# Altium PCB USB_PD_PSU.PcbDoc (part 2 of 2)
Units mm, origin at the board's own origin, x right, y up, seen from the top; angles counter-clockwise.
Board outline 85.26 x 59.07 mm, 4 copper layers (Top Layer, L2(power), L3(GND), Bottom Layer), stack 1.589 mm thick; 116 components, 78 nets, 405 pads, 2011 vias.
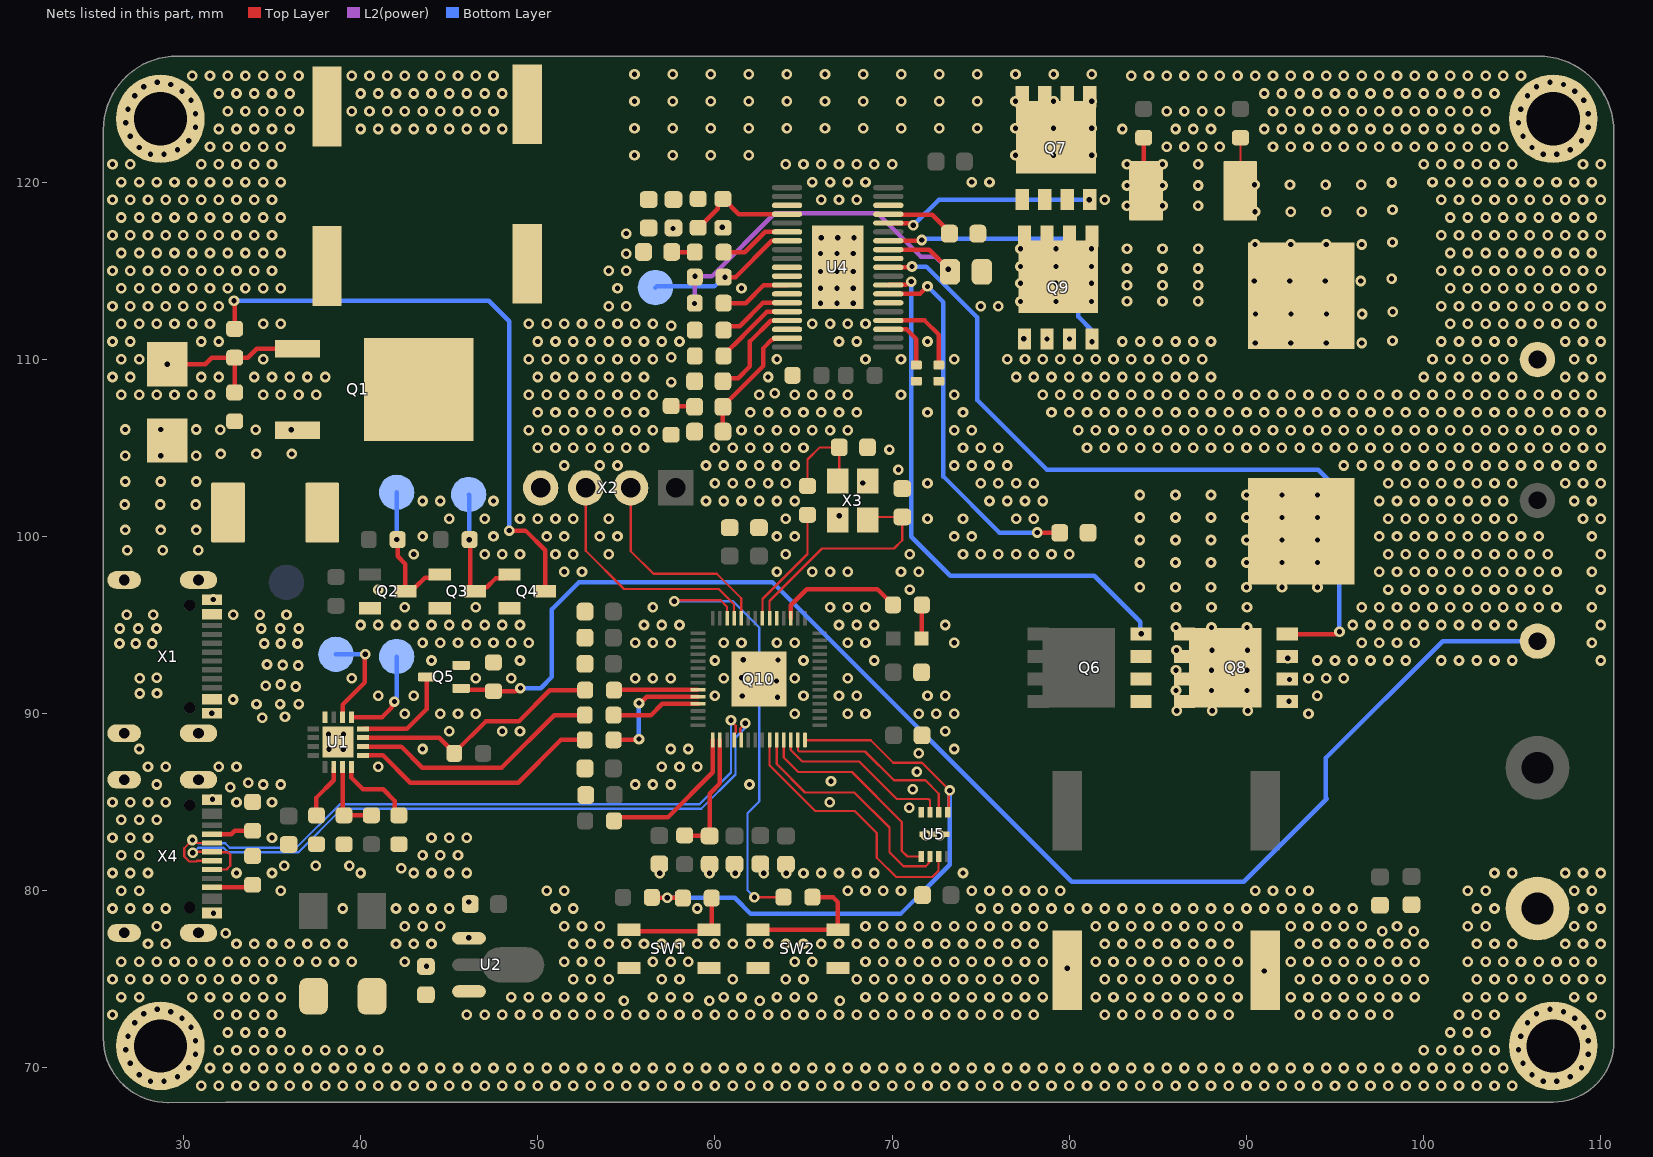
[diagram p4: the nets of this part, all layers, seen from the top]

## Via types
v1: diameter 0.6, hole 0.3, Top Layer to Bottom Layer, tented both sides, 2011 vias

## Nets (pads, with @x,y where several pads share a name; then routed paths per layer and width w, separated by ;. In a path a pad name is that pad's centre, name@x,y a point inside that pad or via, vN(x,y) a via of type N, cw(c..) or ccw(c..) an arc to the next point about the centre after c; other vN are vias at no path point) (continued)
GND: C1.2 C9.2 C10.2 C11.2 C12.2 C13.2 C14.2 C17.2 C18.2 C19.2 C20.2 C21.2 C23.2 C25.2 C26.2 C27.2 C28.2 C29.2 C30.2 C31.2 C32.2 C33.2 C34.2 C35.2 C36.2 C37.2 C38.2 C39.2 C40.2 C41.2 C42.2 C43.2 GND.1 GND_1.1 Q2.2 Q3.2 Q4.2 Q5.2 Q8.1 Q8.2 Q8.3 Q9.1 Q9.2 Q9.3 Q10.19 Q10.57 R5.1 R6.1 R11.1 R16.1 R18.1 R24.1 R27.2 R28.1 R29.1 R30.1 R31.1 R35.1 R36.1 SH1.1 SH2.1 SH3.1 SH4.1 SW1.3 SW1.4 SW2.3 SW2.4 U1.17 U2.1 U4.10 U4.11 U4.13 U4.17 U4.30 U4.39 U5.4 U5.9 X1.13 X1.14 X1.15 X1.16 X1.A1B12 X1.B1A12 X2.04 X3.2 X3.4 X4.13 X4.14 X4.15 X4.16 X4.A1B12 X4.B1A12
  other v1: 31,69 32,69 33,69 34,69 35,69 36,69 37,69 38,69 39,69 40,69 41,69 42,69 43,69 44,69 45,69 46,69 47,69 48,69 49,69 50,69 51,69 52,69 53,69 54,69 55,69 56,69 57,69 58,69 59,69 60,69 61,69 62,69 63,69 64,69 65,69 66,69 67,69 68,69 69,69 70,69 71,69 72,69 73,69 74,69 75,69 76,69 77,69 78,69 79,69 80,69 81,69 82,69 83,69 84,69 85,69 86,69 87,69 88,69 89,69 90,69 91,69 92,69 93,69 94,69 95,69 96,69 97,69 98,69 99,69 100,69 101,69 102,69 103,69 104,69 105,69 28.14,69.244 28.902,69.244 106.753,69.244 107.515,69.244 29.664,69.498 108.277,69.498 27.505,69.625 106.118,69.625 30.299,70.006 31.5,70 32.5,70 33.5,70 34.5,70 35.5,70 36.5,70 37.5,70 38.5,70 39.5,70 40.5,70 41.5,70 42.5,70 43.5,70 44.5,70 45.5,70 46.5,70 47.5,70 48.5,70 49.5,70 50.5,70 51.5,70 52.5,70 53.5,70 54.5,70 55.5,70 56.5,70 57.5,70 58.5,70 59.5,70 60.5,70 61.5,70 62.5,70 63.5,70 64.5,70 65.5,70 66.5,70 67.5,70 68.5,70 69.5,70 70.5,70 71.5,70 72.5,70 73.5,70 74.5,70 75.5,70 76.5,70 77.5,70 78.5,70 79.5,70 80.5,70 81.5,70 82.5,70 83.5,70 84.5,70 85.5,70 86.5,70 87.5,70 88.5,70 89.5,70 90.5,70 91.5,70 92.5,70 93.5,70 94.5,70 95.5,70 96.5,70 97.5,70 98.5,70 99.5,70 100.5,70 101.5,70 102.5,70 103.5,70 104.5,70 108.912,70.006 26.997,70.26 105.61,70.26 30.68,70.768 109.293,70.768 32,71 33,71 34,71 35,71 36,71 37,71 38,71 39,71 40,71 41,71 100,71 101,71 102,71 103,71 104,71 26.743,71.022 105.356,71.022 30.68,71.53 109.293,71.53 26.87,71.784 105.483,71.784 32.5,72 33.5,72 34.5,72 35.5,72 101.5,72 102.5,72 103.5,72 30.426,72.292 109.039,72.292 27.251,72.546 105.864,72.546 29.918,72.8 108.531,72.8 26,73 32,73 33,73 34,73 35,73 46,73 47,73 48,73 49,73 50,73 51,73 52,73 53,73 54,73 55,73 56,73 57,73 58,73 59,73 60,73 61,73 62,73 63,73 64,73 65,73 66,73 67,73 68,73 69,73 70,73 71,73 72,73 73,73 74,73 75,73 76,73 77,73 78,73 82,73 83,73 84,73 85,73 86,73 87,73 88,73 89,73 93,73 94,73 95,73 96,73 97,73 98,73 102,73 103,73 104,73 110,73 27.759,73.054 106.372,73.054 29.283,73.181 107.896,73.181 28.521,73.308 107.134,73.308 54.864,73.787 59.69,73.787 62.532,73.787 67.056,73.787 26.5,74 27.5,74 30.5,74 31.5,74 32.5,74 33.5,74 34.5,74 35.5,74 48.5,74 49.5,74 50.5,74 51.5,74 52.5,74 53.5,74 56.5,74 57.5,74 58.5,74 60.5,74 61.5,74 63.5,74 64.5,74 65.5,74 68.5,74 69.5,74 70.5,74 71.5,74 72.5,74 73.5,74 74.5,74 75.5,74 76.5,74 77.5,74 78.5,74 81.5,74 82.5,74 83.5,74 84.5,74 85.5,74 86.5,74 87.5,74 88.5,74 89.5,74 92.5,74 93.5,74 94.5,74 95.5,74 96.5,74 97.5,74 98.5,74 99.5,74 102.5,74 103.5,74 104.5,74 105.5,74 108.5,74 109.5,74 26,75 27,75 28,75 29,75 30,75 31,75 32,75 33,75 34,75 35,75 52,75 53,75 54,75 57,75 58,75 61,75 64,75 65,75 68,75 69,75 70,75 71,75 72,75 73,75 74,75 75,75 76,75 77,75 78,75 82,75 83,75 84,75 85,75 86,75 87,75 88,75 89,75 93,75 94,75 95,75 96,75 97,75 98,75 99,75 100,75 103,75 104,75 105,75 106,75 107,75 108,75 109,75 110,75 90.999,75.476 79.883,75.622 43.716,75.732 26.5,76 27.5,76 28.5,76 29.5,76 30.5,76 31.5,76 32.5,76 33.5,76 34.5,76 35.5,76 36.5,76 37.5,76 38.5,76 39.5,76 42.5,76 51.5,76 52.5,76 53.5,76 56.5,76 57.5,76 58.5,76 64.5,76 65.5,76 68.5,76 69.5,76 70.5,76 71.5,76 72.5,76 73.5,76 74.5,76 75.5,76 76.5,76 77.5,76 78.5,76 81.5,76 82.5,76 83.5,76 84.5,76 85.5,76 86.5,76 87.5,76 88.5,76 89.5,76 92.5,76 93.5,76 94.5,76 95.5,76 96.5,76 97.5,76 98.5,76 99.5,76 102.5,76 103.5,76 104.5,76 105.5,76 106.5,76 107.5,76 108.5,76 109.5,76 28,77 29,77 33,77 34,77 35,77 36,77 37,77 38,77 39,77 42,77 43,77 44,77 52,77 53,77 54,77 55,77 56,77 57,77 58,77 59,77 60,77 61,77 62,77 63,77 64,77 65,77 66,77 67,77 68,77 69,77 70,77 71,77 72,77 73,77 74,77 75,77 76,77 77,77 78,77 82,77 83,77 84,77 85,77 86,77 87,77 88,77 89,77 93,77 94,77 95,77 96,77 97,77 98,77 99,77 100,77 103,77 104,77 105,77 108,77 109,77 110,77 46.101,77.343 32.385,77.597 97.663,77.724 99.441,77.724 28.5,78 42.5,78 43.5,78 44.5,78 51.5,78 52.5,78 53.5,78 68.5,78 69.5,78 70.5,78 71.5,78 72.5,78 73.5,78 74.5,78 75.5,78 76.5,78 77.5,78 78.5,78 81.5,78 82.5,78 83.5,78 84.5,78 85.5,78 86.5,78 87.5,78 88.5,78 89.5,78 92.5,78 93.5,78 94.5,78 95.5,78 96.5,78 98.5,78 102.5,78 103.5,78 108.5,78 109.5,78 31.698,78.737 26,79 27,79 28,79 29,79 39,79 42,79 43,79 44,79 45,79 51,79 52,79 59,79 75,79 76,79 77,79 78,79 79,79 80,79 81,79 82,79 83,79 84,79 85,79 86,79 87,79 88,79 89,79 90,79 91,79 92,79 93,79 94,79 95,79 96,79 103,79 104,79 109,79 110,79 46.111,79.364 26.5,80 27.5,80 35.5,80 50.5,80 51.5,80 67.5,80 68.5,80 69.5,80 70.5,80 74.5,80 75.5,80 76.5,80 77.5,80 78.5,80 79.5,80 90.5,80 91.5,80 92.5,80 93.5,80 102.5,80 103.5,80 108.5,80 109.5,80 26,81 27,81 28,81 33,81 35,81 40,81 43,81 44,81 45,81 46,81 56.888,80.988 59.691,80.988 61.143,80.988 62.757,80.988 64.018,80.988 65,80.988 66,81 67,81 68,81 69,81 74,81 104,81 105,81 108,81 109,81 110,81 42.291,81.28 35.687,81.407 37.465,81.407 39.37,81.407 26.5,82 27.5,82 43.5,82 44.5,82 45.5,82 26,83 27,83 28,83 35,83 44,83 45,83 46,83 71.913,83.136 72.699,83.129 26.5,84 27.5,84 28.5,84 70.963,84.685 26,85 27,85 28,85 29,85 33,85 35,85 66.48,85.005 31.637,85.16 71.168,85.725 32.639,85.852 28.5,86 34.5,86 35.5,86 55.5,86 56.5,86 57.5,86 61.954,86 33.655,86.106 66.552,86.185 71.401,86.724 28,87 29,87 32,87 33,87 41,87 57,87 58,87 59,87 71.501,87.757 38.221,87.992 39.026,87.977 27.5,88 43.5,88 57.5,88 58.5,88 73.5,88 38.186,88.828 39.031,88.843 45,89 48,89 49,89 73,89 42.5,90 44.5,90 45.5,90 46.5,90 64.5,90 67.5,90 68.5,90 71.5,90 72.5,90 73.5,90 93.5,90 31.607,90.017 92.406,90.689 63.532,90.923 41,91 43,91 60,91 61.544,90.996 65,91 67,91 68,91 72,91 73,91 94,91 63.471,91.838 92.427,91.926 39.5,92 46.5,92 48.5,92 55.5,92 56.5,92 57.5,92 60.5,92 64.5,92 67.5,92 93.5,92 94.5,92 95.5,92 61.507,92.021 44,93 49,93 60,93 65,93 69,93 94,93 95,93 96,93 97,93 98,93 99,93 101,93 102,93 103,93 104,93 105,93 110,93 63.557,93.022 61.605,93.034 92.334,93.121 43.5,94 44.5,94 45.5,94 46.5,94 47.5,94 48.5,94 49.5,94 55.5,94 56.5,94 57.5,94 60.5,94 61.5,94 63.5,94 64.5,94 67.5,94 68.5,94 73.5,94 96.5,94 97.5,94 98.5,94 99.5,94 109.5,94 40,95 41,95 42,95 43,95 44,95 45,95 46,95 47,95 48,95 49,95 56,95 57,95 58,95 67,95 68,95 69,95 73,95 96,95 97,95 98,95 99,95 100,95 101,95 102,95 103,95 104,95 105,95 110,95 42.5,96 46.5,96 56.5,96 66.5,96 67.5,96 68.5,96 96.5,96 97.5,96 98.5,96 99.5,96 100.5,96 101.5,96 102.5,96 103.5,96 104.5,96 105.5,96 106.5,96 107.5,96 109.5,96 31.685,96.443 41,97 71,97 98,97 99,97 100,97 101,97 102,97 103,97 104,97 105,97 106,97 107,97 110,97 51.5,98 52.5,98 63.5,98 65.5,98 66.5,98 67.5,98 70.5,98 71.5,98 97.5,98 98.5,98 99.5,98 100.5,98 101.5,98 102.5,98 103.5,98 104.5,98 105.5,98 106.5,98 107.5,98 109.5,98 43,99 47,99 48,99 49,99 51,99 52,99 54,99 64,99 71,99 74,99 75,99 76,99 77,99 78,99 79,99 80,99 98,99 99,99 100,99 101,99 102,99 103,99 104,99 105,99 106,99 107,99 110,99 43.5,100 47.5,100 50.5,100 51.5,100 53.5,100 54.5,100 63.5,100 64.5,100 73.5,100 74.5,100 97.5,100 98.5,100 99.5,100 100.5,100 101.5,100 102.5,100 103.5,100 104.5,100 105.5,100 106.5,100 109.5,100 45,101 47,101 49,101 50,101 51,101 52,101 54,101 64,101 72,101 74,101 77,101 78,101 98,101 99,101 100,101 101,101 102,101 103,101 104,101 105,101 109,101 110,101 67.024,101.17 43.5,102 44.5,102 47.5,102 59.5,102 60.5,102 61.5,102 62.5,102 63.5,102 64.5,102 75.5,102 76.5,102 77.5,102 78.5,102 97.5,102 98.5,102 99.5,102 100.5,102 101.5,102 102.5,102 103.5,102 104.5,102 108.5,102 109.5,102 60,103 61,103 62,103 63,103 64,103 72,103 75,103 76,103 77,103 78,103 98,103 99,103 100,103 101,103 102,103 103,103 104,103 105,103 108,103 109,103 110,103 68.341,103.021 70.358,103.759 51.5,104 53.5,104 54.5,104 59.5,104 60.5,104 61.5,104 62.5,104 63.5,104 64.5,104 73.5,104 74.5,104 75.5,104 76.5,104 95.5,104 96.5,104 97.5,104 98.5,104 99.5,104 100.5,104 101.5,104 102.5,104 103.5,104 104.5,104 105.5,104 106.5,104 107.5,104 108.5,104 109.5,104 69.85,104.902 50,105 51,105 52,105 53,105 54,105 55,105 56,105 60,105 61,105 62,105 63,105 64,105 65,105 74,105 75,105 76,105 81,105 82,105 83,105 84,105 85,105 86,105 87,105 88,105 89,105 90,105 91,105 92,105 93,105 94,105 95,105 96,105 97,105 98,105 99,105 100,105 101,105 102,105 103,105 104,105 105,105 106,105 107,105 108,105 109,105 110,105 49.5,106 50.5,106 51.5,106 52.5,106 53.5,106 54.5,106 55.5,106 56.5,106 61.5,106 62.5,106 63.5,106 64.5,106 65.5,106 66.5,106 67.5,106 73.5,106 74.5,106 80.5,106 81.5,106 82.5,106 83.5,106 84.5,106 85.5,106 86.5,106 87.5,106 88.5,106 89.5,106 90.5,106 91.5,106 92.5,106 93.5,106 94.5,106 95.5,106 96.5,106 97.5,106 98.5,106 99.5,106 100.5,106 101.5,106 102.5,106 103.5,106 104.5,106 105.5,106 106.5,106 107.5,106 108.5,106 109.5,106 50,107 51,107 52,107 53,107 54,107 55,107 56,107 62,107 63,107 64,107 65,107 66,107 67,107 68,107 72,107 74,107 79,107 80,107 81,107 82,107 83,107 84,107 85,107 86,107 87,107 88,107 89,107 90,107 91,107 92,107 93,107 94,107 95,107 96,107 97,107 98,107 99,107 100,107 101,107 102,107 103,107 104,107 105,107 106,107 107,107 108,107 109,107 110,107 26.5,108 27.5,108 28.5,108 29.5,108 30.5,108 31.5,108 34.5,108 35.5,108 36.5,108 37.5,108 49.5,108 50.5,108 51.5,108 52.5,108 53.5,108 54.5,108 55.5,108 56.5,108 62.5,108 64.5,108 65.5,108 66.5,108 67.5,108 70.5,108 73.5,108 78.5,108 79.5,108 80.5,108 81.5,108 82.5,108 83.5,108 84.5,108 85.5,108 86.5,108 87.5,108 88.5,108 89.5,108 90.5,108 91.5,108 92.5,108 93.5,108 94.5,108 95.5,108 96.5,108 97.5,108 98.5,108 99.5,108 100.5,108 101.5,108 102.5,108 103.5,108 104.5,108 105.5,108 106.5,108 107.5,108 108.5,108 109.5,108 63.373,108.077 57.531,108.712 26,109 27,109 31,109 32,109 34,109 35,109 36,109 37,109 38,109 50,109 51,109 52,109 53,109 54,109 55,109 56,109 63,109 77,109 78,109 79,109 80,109 81,109 82,109 83,109 84,109 85,109 86,109 87,109 88,109 100,109 101,109 102,109 103,109 104,109 105,109 108,109 109,109 110,109 26.5,110 27.5,110 34.5,110 49.5,110 50.5,110 51.5,110 52.5,110 53.5,110 54.5,110 55.5,110 56.5,110 63.5,110 68.5,110 70.5,110 73.5,110 76.5,110 77.5,110 78.5,110 79.5,110 80.5,110 81.5,110 82.5,110 83.5,110 84.5,110 85.5,110 86.5,110 87.5,110 100.5,110 101.5,110 102.5,110 103.5,110 104.5,110 108.5,110 109.5,110 57.531,110.109 26,111 27,111 31,111 32,111 50,111 51,111 52,111 53,111 54,111 55,111 56,111 57,111 58,111 67,111 68,111 72,111 83,111 84,111 85,111 86,111 87,111 88,111 101,111 102,111 103,111 104,111 105,111 108,111 109,111 110,111 77.431,111.162 78.74,111.146 80.01,111.146 57.531,111.887 26.5,112 27.5,112 28.5,112 29.5,112 30.5,112 31.5,112 34.5,112 35.5,112 49.5,112 50.5,112 51.5,112 52.5,112 53.5,112 54.5,112 55.5,112 56.5,112 65.5,112 66.5,112 67.5,112 68.5,112 101.5,112 102.5,112 103.5,112 104.5,112 105.5,112 106.5,112 107.5,112 108.5,112 109.5,112 26,113 27,113 28,113 29,113 30,113 31,113 32,113 54,113 55,113 75,113 76,113 101,113 102,113 103,113 104,113 105,113 106,113 107,113 108,113 109,113 110,113 65.964,113.164 66.889,113.164 67.813,113.164 26.5,114 27.5,114 28.5,114 29.5,114 30.5,114 31.5,114 32.5,114 33.5,114 34.5,114 35.5,114 54.5,114 61.5,114 101.5,114 102.5,114 103.5,114 104.5,114 105.5,114 106.5,114 107.5,114 108.5,114 109.5,114 65.964,114.013 66.889,114.013 67.813,114.013 65.964,114.958 66.889,114.958 67.813,114.958 26,115 27,115 28,115 29,115 30,115 31,115 32,115 33,115 34,115 35,115 54,115 55,115 101,115 102,115 103,115 104,115 105,115 106,115 107,115 108,115 109,115 110,115 54.991,115.951 65.964,115.971 66.889,115.971 67.813,115.971 26.5,116 27.5,116 28.5,116 29.5,116 30.5,116 31.5,116 32.5,116 33.5,116 34.5,116 35.5,116 101.5,116 102.5,116 103.5,116 104.5,116 105.5,116 106.5,116 107.5,116 108.5,116 109.5,116 66.006,116.852 66.931,116.852 67.855,116.852 26,117 27,117 28,117 29,117 30,117 31,117 32,117 33,117 34,117 35,117 101,117 102,117 103,117 104,117 105,117 106,117 107,117 108,117 109,117 110,117 54.991,117.094 57.632,117.382 60.411,117.448 26.5,118 27.5,118 28.5,118 29.5,118 30.5,118 31.5,118 32.5,118 33.5,118 34.5,118 35.5,118 101.5,118 102.5,118 103.5,118 104.5,118 105.5,118 106.5,118 107.5,118 108.5,118 109.5,118 26,119 27,119 28,119 29,119 30,119 31,119 32,119 33,119 34,119 35,119 66,119 67,119 68,119 82,119 101,119 102,119 103,119 104,119 105,119 106,119 107,119 108,119 109,119 110,119 26.5,120 27.5,120 28.5,120 29.5,120 30.5,120 31.5,120 32.5,120 33.5,120 34.5,120 35.5,120 65.5,120 66.5,120 67.5,120 68.5,120 74.5,120 75.5,120 100.5,120 101.5,120 102.5,120 103.5,120 104.5,120 105.5,120 106.5,120 107.5,120 108.5,120 109.5,120 26,121 27,121 31,121 32,121 33,121 34,121 35,121 64,121 65,121 66,121 67,121 68,121 69,121 70,121 100,121 101,121 102,121 103,121 104,121 105,121 109,121 110,121 28.14,121.568 28.902,121.568 106.753,121.568 107.515,121.568 29.664,121.822 108.277,121.822 27.505,121.949 106.118,121.949 31.5,122 32.5,122 33.5,122 34.5,122 35.5,122 85.5,122 86.5,122 87.5,122 88.5,122 91.5,122 92.5,122 93.5,122 94.5,122 95.5,122 96.5,122 97.5,122 98.5,122 99.5,122 100.5,122 101.5,122 102.5,122 103.5,122 104.5,122 30.299,122.33 108.912,122.33 26.997,122.584 105.61,122.584 32,123 33,123 34,123 35,123 36,123 40,123 41,123 42,123 43,123 44,123 45,123 46,123 47,123 48,123 83,123 86,123 87,123 88,123 91,123 92,123 93,123 94,123 95,123 96,123 97,123 98,123 99,123 100,123 101,123 102,123 103,123 104,123 30.68,123.092 109.293,123.092 26.743,123.346 105.356,123.346 30.68,123.854 109.293,123.854 32.5,124 33.5,124 34.5,124 35.5,124 36.5,124 39.5,124 40.5,124 41.5,124 42.5,124 43.5,124 44.5,124 45.5,124 46.5,124 47.5,124 85.5,124 86.5,124 87.5,124 88.5,124 91.5,124 92.5,124 93.5,124 94.5,124 95.5,124 96.5,124 97.5,124 98.5,124 99.5,124 100.5,124 101.5,124 102.5,124 103.5,124 26.87,124.108 105.483,124.108 30.426,124.616 109.039,124.616 27.251,124.87 105.864,124.87 32,125 33,125 34,125 35,125 36,125 40,125 41,125 42,125 43,125 44,125 45,125 46,125 47,125 48,125 91,125 92,125 93,125 94,125 95,125 96,125 97,125 98,125 99,125 100,125 101,125 102,125 103,125 104,125 29.918,125.124 108.531,125.124 27.759,125.378 106.372,125.378 29.283,125.505 107.896,125.505 28.521,125.632 107.134,125.632 30.5,126 31.5,126 32.5,126 33.5,126 34.5,126 35.5,126 36.5,126 39.5,126 40.5,126 41.5,126 42.5,126 43.5,126 44.5,126 45.5,126 46.5,126 47.5,126 83.5,126 84.5,126 85.5,126 86.5,126 87.5,126 88.5,126 89.5,126 90.5,126 91.5,126 92.5,126 93.5,126 94.5,126 95.5,126 96.5,126 97.5,126 98.5,126 99.5,126 100.5,126 101.5,126 102.5,126 103.5,126 104.5,126 105.5,126
HO1: Q7.4 U4.34 | length 12
  Top Layer w0.254: U4.34@69.787,117.689 70.972,117.689 71.103,117.558 v1(71.197,117.558)
  Bottom Layer w0.254: v1(71.197,117.558) 72.646,119.008 v1(81.134,119.008)
HO2: Q6.4 U4.27 | length 31.3
  Top Layer w0.254: U4.27@69.787,114.189 69.795,114.198 70.804,114.198 70.991,114.385 v1(71.085,114.385)
  Bottom Layer w0.254: v1(71.085,114.385) 71.085,99.984 73.279,97.79 81.407,97.79 84.015,95.182 v1@84.015,94.555
  other v1: 84.07,94.501
LO1: Q9.4 U4.32 | length 16.6
  Top Layer w0.254: U4.32@69.787,116.689 69.795,116.698 71.643,116.698 v1(71.68,116.734)
  Bottom Layer w0.254: v1(71.68,116.734) 71.735,116.79 80.069,116.79 80.518,116.34 80.518,112.395 81.24,111.673 81.24,111.036 v1(81.284,110.992)
LO2: Q8.4 U4.29 | length 44.3
  Top Layer w0.254: U4.29@69.787,115.189 69.795,115.198 71.086,115.198 v1(71.123,115.235) ; Q8.4@92.308,94.488 95.029,94.488 v1@95.156,94.615
  Bottom Layer w0.254: v1(71.123,115.235) 71.926,115.235 74.803,112.358 74.803,107.696 78.74,103.759 94.05,103.759 95.25,102.559 v1(95.25,94.615)
MCUD_N: Q10.46 X4.A7 X4.B7 | length 40.6
  Top Layer w0.128: X4.A7@31.616,81.696 30.782,81.696 30.736,81.65 30.329,81.65 30.041,81.938 30.041,82.4 v1(30.509,82.868) 30.681,82.696 X4.B7@31.616,82.696 ; v1(60.91,89.632) 60.91,89.591 61.179,89.321 61.179,88.928 61.084,88.833 Q10.46@61.084,88.513
  Bottom Layer w0.128: v1(30.509,82.868) 30.63,82.868 30.82,82.678 32.364,82.678 32.619,82.423 36.37,82.423 38.837,84.89 59.128,84.89 60.91,86.671 v1(60.91,89.632)
MCUD_P: Q10.47 X4.A6 X4.B6 | length 40.8
  Top Layer w0.128: v1(30.533,82.141) 30.587,82.196 X4.A6@31.616,82.196 31.643,82.169 32.512,82.169 32.639,82.042 32.639,81.407 32.428,81.196 X4.B6@31.616,81.196 ; Q10.47@61.484,88.513 61.484,88.833 61.448,88.869 61.448,88.931 61.435,88.944 61.435,89.153 61.705,89.423 v1(61.705,89.464)
  Bottom Layer w0.128: v1(30.533,82.141) 30.56,82.141 30.841,82.423 32.258,82.423 32.513,82.168 36.476,82.168 38.943,84.634 59.234,84.634 61.165,86.565 61.165,88.646 61.705,89.185 v1(61.705,89.464)
NetC10_1: C10.1 D1.1 D2.1 U2.3
NetC16_1: C16.1 U4.35 | length 4
  Top Layer w0.254: U4.35@69.787,118.189 70.506,118.189 70.532,118.164 72.272,118.164 72.893,117.543 72.893,117.527 73.241,117.179 C16.1@73.241,117.094
NetC22_2: C22.2 U4.26 | length 21.4
  Top Layer w0.254: U4.26@69.787,113.689 71.578,113.689 v1(72.001,114.112) ; v1(78.193,100.219) 78.201,100.211 79.456,100.211 C22.2@79.464,100.203
  Bottom Layer w0.254: v1(72.001,114.112) 72.898,113.215 72.898,103.378 76.057,100.219 v1(78.193,100.219)
NetC23_1: C23.1 R25.1 | length 1.4
  Top Layer w0.254: C23.1@57.568,116.058 57.575,116.051 58.925,116.051 R25.1@58.933,116.043
NetC24_1: C24.1 C26.1 U4.18 | length 7.2
  Top Layer w0.254: C26.1@60.453,105.918 C24.1@60.453,107.315 60.453,107.34 62.738,109.625 62.738,110.634 63.197,111.093 63.255,111.093 63.352,111.189 U4.18@64.072,111.189
NetC24_2: C24.2 R31.2 | length 1.3
  Top Layer w0.254: R31.2@57.531,107.367 57.557,107.341 58.827,107.341 C24.2@58.853,107.315
NetC25_1: C25.1 U4.16 | length 5.9
  Top Layer w0.254: C25.1@60.453,108.759 60.627,108.934 61.309,108.934 61.976,109.601 61.976,111.004 63.152,112.18 64.063,112.18 U4.16@64.072,112.189
NetC39_1: C39.1 Q10.44 R33.2 | length 7.1
  Top Layer w0.254: R33.2@58.309,83.111 59.683,83.111 C39.1@59.699,83.095 59.699,85.48 60.284,86.065 Q10.44@60.284,88.513
NetC41_1: C41.1 R34.2 X3.3 | length 5.7
  Top Layer w0.127: R34.2@65.228,102.846 65.228,104.344 65.91,105.026 C41.1@67.014,105.026 ; X3.3@66.651,102.846 X3.3@66.929,103.124 67.014,103.209 C41.1@67.014,104.814
NetC42_1: C42.1 Q10.20 X3.1 | length 13
  Top Layer w0.127: Q10.20@63.084,95.383 63.084,96.358 66.04,99.314 70.104,99.314 70.578,99.788 C42.1@70.578,101.1 X3.1@68.806,101.1
NetL2_1: L2.1 R23.1 R26.1 | length 3
  Top Layer w0.127: R26.1@89.655,119.507 89.662,119.514 R23.1@89.662,122.503
  other v1: 90.491,110.917 92.496,110.917 94.501,110.917 96.506,110.917 98.245,111.043 90.512,112.553 92.517,112.553 94.522,112.553 96.527,112.553 98.266,112.679 90.439,114.418 92.444,114.418 94.449,114.418 96.454,114.418 98.193,114.545 90.487,116.478 92.492,116.478 94.497,116.478 96.502,116.478 98.241,116.605 90.487,118.319 92.492,118.319 94.497,118.319 96.502,118.319 98.241,118.446 90.457,119.854 92.462,119.854 94.467,119.854 96.472,119.854 98.211,119.98
NetLED1_1: LED1.1 R37.1 | length 1.9
  Top Layer w0.254: LED1.1@71.666,94.237 71.68,94.252 R37.1@71.68,96.139
NetQ1_1: Q1.1 R4.1 R10.1 TP2.1 ZD1.2 | length 9.7
  Top Layer w0.254: v1(29.083,109.719) 31.233,109.719 31.602,110.088 R10.1@32.893,110.088 ; R4.1@32.893,108.129 R10.1@32.893,110.088 ; Q1.1@36.428,110.598 34.144,110.598 33.634,110.088 R10.1@32.893,110.088
NetQ2_3: Q2.3 Q3.1 R8.1 TP5.1 | length 8.1
  Top Layer w0.254: R8.1@42.089,99.822 42.089,98.881 42.529,98.441 Q2.3@42.529,96.901 42.752,97.124 43.091,97.124 43.639,97.672 44.287,97.672 Q3.1@44.466,97.851
  Bottom Layer w0.254: v1(42.037,99.822) TP5.1@42.037,102.489
NetQ3_3: Q3.3 Q4.1 R9.1 TP4.1 | length 8
  Top Layer w0.254: R9.1@46.153,99.822 R9.1@46.153,99.866 ; R9.1@46.197,99.822 46.197,97.124 46.42,96.901 Q3.3@46.466,96.901 46.689,97.124 47.116,97.124 47.62,97.628 48.18,97.628 Q4.1@48.403,97.851
  Bottom Layer w0.254: TP4.1@46.101,102.362 46.121,102.342 v1@46.121,99.824
  other v1: 46.142,99.804
NetQ4_3: Q4.3 R10.2 | length 34.2
  Top Layer w0.254: R10.2@32.893,111.716 v1@32.893,113.284 ; v1(48.387,100.33) 49.306,100.33 50.419,99.217 50.419,96.917 Q4.3@50.403,96.901
  Bottom Layer w0.254: v1(32.854,113.3) 47.228,113.3 48.387,112.141 v1(48.387,100.33)
NetQ10_17: Q10.17 R37.2 | length 7.2
  Top Layer w0.254: Q10.17@64.284,95.383 64.284,96.122 65.178,97.016 69.175,97.016 R37.2@70.052,96.139
NetQ10_21: Q10.21 R34.1 | length 6.9
  Top Layer w0.127: Q10.21@62.684,95.383 62.684,96.466 65.228,99.01 R34.1@65.228,101.218
NetQ10_37: Q10.37 R38.2 | length 4.7
  Top Layer w0.254: R38.2@54.303,91.323 54.316,91.335 Q10.37@59.036,91.335
NetQ10_38: Q10.38 R39.2 | length 7
  Top Layer w0.254: R39.2@54.281,88.519 v1@55.753,88.519 ; v1@55.753,90.551 56.15,90.948 Q10.38@59.049,90.948
  Bottom Layer w0.254: v1(55.712,88.563) v1(55.712,90.595)
NetQ10_39: Q10.39 R40.2 | length 5
  Top Layer w0.254: R40.2@54.281,89.916 56.388,89.916 57.02,90.548 Q10.39@59.049,90.548
NetQ10_43: Q10.43 R32.1 | length 8.5
  Top Layer w0.254: R32.1@54.306,83.947 54.505,84.146 57.349,84.146 59.884,86.681 Q10.43@59.884,88.513
NetR2_1: R2.1 R5.2 U1.7 | length 4.2
  Top Layer w0.254: U1.7@38.985,86.985 38.998,86.972 R5.2@38.998,84.318 ; R5.2@39.064,84.255 40.61,84.255 R2.1@40.611,84.256
NetR3_1: R3.1 R38.1 U1.11 | length 14.4
  Top Layer w0.254: U1.11@40.142,88.642 44.432,88.642 R3.1@45.287,87.787 ; R3.1@45.287,87.757 R3.1@45.287,87.787 ; R38.1@52.675,91.323 50.683,91.323 48.937,89.577 47.077,89.577 45.332,87.832 45.287,87.832 R3.1@45.287,87.787
NetR6_2: R6.2 U1.8 | length 4.5
  Top Layer w0.254: U1.8@39.485,86.985 39.485,86.372 40.132,85.725 41.275,85.725 41.916,85.084 41.916,84.501 R6.2@42.164,84.253
NetR11_2: R11.2 U1.6 | length 3.1
  Top Layer w0.254: R11.2@37.512,84.253 37.512,85.264 38.485,86.237 U1.6@38.485,86.985
NetR17_1: R17.1 R18.2 U4.4 | length 5.8
  Top Layer w0.254: R17.1@59.055,117.423 59.085,117.423 60.159,118.497 R18.2@60.159,118.758 ; R18.2@60.452,119.051 60.482,119.051 61.344,118.189 U4.4@64.072,118.189
NetR19_2: R19.2 U4.12 | length 4
  Top Layer w0.254: R19.2@60.489,113.166 61.731,113.166 62.754,114.189 U4.12@64.072,114.189
NetR20_1: R20.1 TP7.1 U4.7 | length 8.6
  Top Layer w0.254: R20.1@60.492,114.664 R20.1@60.492,114.634 v1(60.564,114.634) 60.571,114.641 61.174,114.641 63.213,116.68 64.063,116.68 U4.7@64.072,116.689
  Bottom Layer w0.254: TP7.1@56.642,114.046 56.707,114.111 59.973,114.111 60.496,114.634 v1(60.564,114.634)
NetR25_2: R25.2 U4.6 | length 4
  Top Layer w0.254: R25.2@60.561,116.043 61.687,116.043 62.833,117.189 U4.6@64.072,117.189
NetR27_1: R27.1 U4.22 | length 3.3
  Top Layer w0.254: U4.22@69.787,111.689 69.795,111.68 70.819,111.68 71.374,111.125 R27.1@71.374,109.675
NetR28_2: R28.2 U4.23 | length 4.9
  Top Layer w0.254: U4.23@69.787,112.189 71.834,112.189 72.644,111.379 R28.2@72.644,109.675
NetR29_2: R29.2 U4.14 | length 4.2
  Top Layer w0.254: R29.2@60.489,111.642 60.712,111.866 61.397,111.866 62.711,113.18 64.063,113.18 U4.14@64.072,113.189
NetR30_2: R30.2 U4.15 | length 4.4
  Top Layer w0.254: R30.2@60.489,110.189 60.489,110.219 61.595,111.325 61.595,111.337 62.938,112.68 63.81,112.68 U4.15@63.836,112.706
NetR35_2: R35.2 X4.A5 | length 2.4
  Top Layer w0.254: X4.A5@31.616,83.196 32.707,83.196 32.898,83.387 R35.2@33.909,83.387
NetR36_2: R36.2 X4.B5 | length 2.2
  Top Layer w0.254: X4.B5@31.619,80.193 33.778,80.193 R36.2@33.782,80.189
NetR42_1: R42.1 SW1.1 SW1.2 | length 6.5
  Top Layer w0.254: SW1.1@55.1,77.724 SW1.2@59.6,77.724 ; SW1.2@59.816,77.564 R42.1@59.816,79.583
NetR43_1: R43.1 SW2.1 SW2.2 | length 7.6
  Top Layer w0.254: SW2.1@62.438,77.791 SW2.2@66.938,77.791 66.938,79.366 66.667,79.637 R43.1@65.502,79.637
NetTP1_1: TP1.1 U1.13 | length 5.5
  Top Layer w0.254: U1.13@39.485,89.799 41.213,89.799 41.773,90.359 41.773,90.448 41.91,90.584 v1(41.91,90.678)
  Bottom Layer w0.254: v1(41.91,90.678) 41.91,90.772 42.037,90.899 TP1.1@42.037,93.218
NetTP3_1: TP3.1 U1.14 | length 5.7
  Top Layer w0.254: U1.14@38.985,89.799 38.998,89.812 38.998,90.511 40.248,91.761 v1@40.248,93.334
  Bottom Layer w0.254: TP3.1@38.608,93.345 v1(40.259,93.345)
PD_EN: Q5.3 U1.12 | length 5.9
  Top Layer w0.254: U1.12@40.142,89.142 42.62,89.142 43.734,90.256 Q5.3@43.734,92.075
PD_EN_IN: PD_EN.1 Q5.1 R16.2 | length 79.4
  Top Layer w0.254: Q5.1@45.674,91.425 45.756,91.343 R16.2@47.416,91.343 ; R16.2@47.498,91.261 48.749,91.261 v1@48.928,91.44
  Bottom Layer w0.254: v1(49.022,91.44) 50.165,91.44 50.8,92.075 50.8,95.885 52.324,97.409 63.246,97.409 80.137,80.518 89.854,80.518 94.532,85.195 94.488,85.239 94.488,87.503 101.073,94.088 PD_EN.1@106.426,94.088
QSPI_SCLK: Q10.52 U5.6 | length 13.6
  Top Layer w0.127: Q10.52@63.484,88.513 63.484,87.157 65.089,85.553 67.863,85.553 69.85,83.566 69.85,82.169 70.638,81.381 71.895,81.381 72.117,81.603 U5.6@72.117,81.912
QSPI_SD0: Q10.53 U5.5 | length 12
  Top Layer w0.127: Q10.53@63.884,88.513 63.884,87.521 64.706,86.698 67.734,86.698 70.548,83.884 70.548,82.251 70.864,81.935 U5.5@71.64,81.935
QSPI_SD1: Q10.55 U5.2 | length 10.6
  Top Layer w0.127: Q10.55@64.684,88.513 64.684,87.936 64.758,87.862 68.475,87.862 70.104,86.233 71.882,86.233 72.64,85.475 U5.2@72.64,84.435
QSPI_SD2: Q10.54 U5.3 | length 10.3
  Top Layer w0.127: Q10.54@64.284,88.513 64.284,87.945 64.934,87.295 68.148,87.295 70.267,85.176 72.066,85.176 72.14,85.101 U5.3@72.14,84.435
QSPI_SD3: Q10.51 U5.7 | length 15.3
  Top Layer w0.127: Q10.51@63.084,88.513 63.084,87.081 65.661,84.504 67.896,84.504 69.136,83.264 69.136,81.867 70.231,80.772 72.263,80.772 72.617,81.126 U5.7@72.617,81.912
QSPI_SS_N: Q10.56 R41.1 R42.2 U5.1 | length 34
  Top Layer w0.127: Q10.56@65.111,88.497 68.793,88.497 70.059,87.23 71.686,87.23 v1(73.253,85.664) 73.196,85.607 73.196,84.491 U5.1@73.14,84.435
  Top Layer w0.254: R41.1@56.44,79.629 56.463,79.606 58.165,79.606 R42.2@58.188,79.583
  Bottom Layer w0.254: v1(57.313,79.604) 61.112,79.604 62.026,78.69 70.477,78.69 73.253,81.466 v1(73.253,85.664)
RUN: Q10.26 R43.2 | length 26.6
  Top Layer w0.127: v1@57.658,96.393 60.325,96.393 60.684,96.034 Q10.26@60.684,95.383 ; v1(62.23,79.629) 63.866,79.629 R43.2@63.874,79.637
  Bottom Layer w0.127: v1(57.696,96.335) 61.018,96.335 62.497,94.856 62.497,85.04 61.835,84.378 61.835,80.024 v1(62.23,79.629)
SCL: R40.1 U1.10 | length 14.2
  Top Layer w0.254: U1.10@40.142,88.142 42.287,88.142 43.485,86.944 47.955,86.944 50.927,89.916 R40.1@52.653,89.916
SDA: R39.1 U1.9 | length 14.1
  Top Layer w0.254: U1.9@40.142,87.642 41.263,87.642 42.799,86.106 48.895,86.106 51.308,88.519 R39.1@52.653,88.519
SW1: C16.2 Q7.1 Q7.2 Q7.3 Q9.5 Q9.6 Q9.7 Q9.8 R22.1 R26.2 U4.36 | length 3.1
  Top Layer w0.254: R22.1@84.201,122.503 84.201,119.641 R26.2@84.335,119.507
  other v1: 77.246,113.261 79.251,113.261 81.256,113.261 83.261,113.266 85.266,113.266 87.271,113.266 83.261,114.185 85.266,114.185 87.271,114.185 77.246,114.288 79.251,114.288 81.256,114.288 83.261,115.124 85.266,115.124 87.271,115.124 77.246,115.235 79.251,115.235 81.256,115.235 77.246,116.236 79.251,116.236 81.256,116.236 83.261,116.236 85.266,116.236 87.271,116.236 83.261,118.66 85.266,118.66 87.271,118.66 83.261,119.805 85.266,119.805 87.271,119.805 83.261,121.002 85.266,121.002 87.271,121.002
SW2: C22.1 L2.2 Q6.1 Q6.2 Q6.3 Q8.5 Q8.6 Q8.7 Q8.8 U4.25
  other v1: 86.069,90.162 88.074,90.162 90.079,90.166 86.022,91.304 88.027,91.304 90.032,91.309 86.022,92.447 88.027,92.447 90.032,92.452 86.053,93.574 88.058,93.574 90.063,93.579 86.022,94.86 88.027,94.86 90.032,94.865 86.022,96.003 88.027,96.003 90.032,96.008 83.989,97.129 85.994,97.129 87.999,97.129 90.004,97.133 92.009,97.133 94.014,97.133 83.989,98.526 85.994,98.526 87.999,98.526 90.004,98.53 92.009,98.53 94.014,98.53 83.989,99.796 85.994,99.796 87.999,99.796 90.004,99.8 92.009,99.8 94.014,99.8 83.989,101.066 85.994,101.066 87.999,101.066 90.004,101.07 92.009,101.07 94.014,101.07 83.989,102.336 85.994,102.336 87.999,102.336 90.004,102.34 92.009,102.34 94.014,102.34
SWCLK: Q10.24 X2.02 | length 12
  Top Layer w0.127: X2.02@55.245,102.743 55.245,99.169 56.527,97.887 60.101,97.887 61.484,96.504 Q10.24@61.484,95.383
SWDIO: Q10.25 X2.03 | length 14
  Top Layer w0.127: X2.03@52.705,102.743 52.705,99.187 54.864,97.028 60.218,97.028 61.076,96.17 61.076,95.391 Q10.25@61.084,95.383
V_PD: C11.1 C12.1 C13.1 C14.1 Q1.2 Q7.5 Q7.6 Q7.7 Q7.8 R1.1 R17.2 U4.3
  other v1: 55.464,121.514 57.614,121.514 59.764,121.514 61.914,121.514 76.964,121.514 79.114,121.514 81.264,121.514 55.464,123.038 57.614,123.038 59.764,123.038 61.914,123.038 64.064,123.038 66.214,123.038 68.364,123.038 70.514,123.038 72.664,123.038 74.814,123.038 76.964,123.038 79.114,123.038 81.264,123.038 55.464,124.562 57.614,124.562 59.764,124.562 61.914,124.562 64.064,124.562 66.214,124.562 68.364,124.562 70.514,124.562 72.664,124.562 74.814,124.562 76.964,124.562 79.114,124.562 81.264,124.562 55.464,126.085 57.614,126.085 59.764,126.085 61.914,126.085 64.064,126.085 66.214,126.085 68.364,126.085 70.514,126.085 72.664,126.085 74.814,126.085 76.964,126.085 79.114,126.085 81.264,126.085
VBUS_IN: Q1.3 R1.2 R4.2 U1.16 X1.A4B9 X1.B4A9 ZD1.1
  other v1: 34.447,89.771 35.736,89.817 34.124,90.538 35.456,90.538 36.517,90.538 32.804,90.797 27.534,91.135 28.508,91.14 36.349,91.529 34.651,91.563 35.5,91.645 27.539,92.002 28.499,92.016 36.482,92.717 35.601,92.746 34.72,92.769 26.396,93.954 27.316,93.954 28.236,93.954 34.565,93.954 35.504,93.954 36.443,93.954 26.416,94.805 27.45,94.805 28.484,94.805 34.402,94.805 35.459,94.805 36.517,94.805 26.797,95.573 28.301,95.573 32.811,95.573 34.315,95.573 35.819,95.573 26.832,99.225 28.837,99.225 30.842,99.225 26.711,100.367 28.716,100.367 30.722,100.367 26.692,101.804 28.697,101.804 30.702,101.804 26.711,103.103 28.716,103.103 30.722,103.103 26.711,104.559 28.716,104.559 30.722,104.559 32.104,104.658 34.109,104.658 36.114,104.658 32.084,106.016 34.089,106.016 36.094,106.016 26.711,106.035 28.716,106.035 30.722,106.035
VCC_BUCK: C21.1 R19.1 R20.2 U4.31 | length 22.8
  Top Layer w0.254: U4.31@69.787,116.189 69.795,116.18 72.097,116.18 C21.1@73.268,115.01 ; v1(73.173,115.079) 73.173,115.03 C21.1@73.268,114.935
  L2(power) w0.254: v1(58.849,113.149) 58.861,113.161 58.861,114.677 v1(58.873,114.689) 59.835,114.689 63.383,118.237 69.18,118.237 71.628,115.789 72.463,115.789 v1(73.173,115.079)
pads on no net: Q10.2 Q10.3 Q10.4 Q10.5 Q10.6 Q10.7 Q10.8 Q10.9 Q10.11 Q10.12 Q10.13 Q10.14 Q10.15 Q10.16 Q10.18 Q10.27 Q10.28 Q10.29 Q10.30 Q10.31 Q10.32 Q10.34 Q10.35 Q10.36 Q10.40 Q10.41 U4.1 U4.2 U4.5 U4.8 U4.9 U4.21 U4.24 U4.28 U4.33 X1. X1.A8 X1.B8 X2.01 X4. X4.A8 X4.B8

## Polygon pours and split planes (outlines as drawn)
GND on Top Layer "GND_L01_P025" (solid, remove dead copper, pour order 25): 29.131,68.049 cw(c29.102,71.667) 25.484,71.667 25.487,122.948 cw(c29.653,122.948) 29.653,127.115 106.468,127.115 cw(c106.468,122.838) 110.744,122.838 110.744,71.502 cw(c107.314,71.502) 107.314,68.072 32.385,68.072 32.383,68.074
3V3 on Top Layer "3V3_L01_P024" (solid, remove dead copper, pour order 24): 44.831,76.502 44.831,75.184 46.848,75.184 47.483,74.549 50.673,74.549 51.054,74.93 51.054,77.47 49.53,78.994 49.53,80.264 49.784,80.518 51.943,80.518 53.721,78.74 55.245,78.74 55.626,79.121 55.626,81.534 56.388,82.296 57.555,82.296 57.555,82.526 57.531,82.55 57.531,83.566 57.349,83.748 55.554,83.748 54.61,82.804 53.594,82.804 53.34,83.058 53.34,84.435 53.193,84.582 48.387,84.582 46.863,83.058 46.863,78.74 47.244,78.359 47.244,76.962 46.784,76.502
NetC10_1 on Top Layer "NETC10_1_L01_P022" (solid, pour order 22): 36.322,75.311 36.322,72.644 36.83,72.136 43.815,72.136 45.212,73.533 46.863,73.533 47.244,73.914 47.244,74.676 46.863,75.057 41.91,75.057 41.64,75.327 36.32,75.327
5V_PC on Top Layer "5V_PC_L01_P021" (solid, pour order 21): 32.258,84.709 32.258,83.989 30.776,83.989 29.591,82.804 29.591,80.645 30.353,79.883 32.639,79.883 33.02,79.502 35.814,79.502 36.322,80.01 38.354,80.01 38.354,77.597 33.956,77.597 32.363,79.19 29.522,79.19 28.448,80.264 28.448,83.105 30.064,84.721
12V on Top Layer "12V_L01_P017" (solid, pour order 17): 74.168,97.409 74.168,81.568 74.837,80.899 93.345,80.899 94.234,80.01 101.473,80.01 103.251,81.788 109.728,81.788 110.236,82.296 110.236,91.059 109.093,92.202 96.647,92.202 93.034,88.589 83.623,88.589 82.804,89.408 82.804,97.409
SW2 on Top Layer "SW2_L01_P016" (solid, pour order 16): 96.774,103.378 96.774,97.155 95.631,96.012 91.821,96.012 91.313,95.504 91.313,90.424 90.17,89.281 83.82,89.281 83.058,90.043 83.058,97.917 82.423,98.552 81.28,98.552 80.518,99.314 80.518,101.219 74.168,107.569 74.168,111.252 72.448,112.972 68.892,112.972 68.834,113.03 68.834,113.411 73.914,113.411 75.565,111.76 75.565,109.347 81.534,103.378
NetL2_1 on Top Layer "NETL2_1_L01_P011" (solid, pour order 11): 88.519,121.412 88.519,109.982 89.154,109.347 99.314,109.347 100.076,110.109 100.076,119.507 98.171,121.412
SW1 on Top Layer "SW1_L01_P009" (solid, remove dead copper, pour order 9): 76.962,119.761 80.645,119.761 80.645,118.11 80.899,117.856 82.555,117.856 82.544,121.457 87.787,121.457 87.787,112.141 82.296,112.141 76.581,112.141 76.581,116.459 74.422,116.459 74.041,116.84 74.05,116.849 74.05,117.865 74.422,118.237 75.275,118.237 75.275,118.745 72.009,118.745 71.821,118.477 68.834,118.477 68.834,118.904 71.279,118.904 71.501,119.126 76.454,119.126
V_PD on Top Layer "V_PD_L01_P007" (solid, pour order 7): 34.544,102.997 34.544,99.06 34.671,98.933 39.243,98.933 39.624,99.314 39.624,101.727 40.513,102.616 47.9,102.616 48.641,103.357 48.641,111.125 47.879,111.887 45.974,111.887 45.974,112.903 52.451,112.903 53.213,113.665 53.213,115.951 55.499,118.237 59.69,118.237 59.817,118.364 59.817,119.761 59.944,119.761 60.071,119.888 61.214,119.888 61.468,119.634 61.468,118.618 61.595,118.491 65.151,118.491 65.278,118.618 65.278,118.899 63.003,118.899 63.003,122.153 76.585,122.153 76.585,120.144 82.286,120.17 82.285,125.844 81.661,126.667 50.673,126.667 50.673,121.79 36.195,121.79 36.195,112.395 36.703,111.887 38.227,111.887 38.481,111.633 38.481,104.775 37.465,103.759 35.433,103.759
VBUS_IN on Top Layer "VBUS_IN_L01_P001" (solid, remove dead copper, pour order 1): 26.035,96.012 26.035,93.599 29.206,93.599 29.206,95.255 33.147,95.25 34.163,94.234 34.163,91.948 33.401,91.186 29.206,91.186 29.206,92.456 27.051,92.456 27.051,90.424 32.475,90.424 33.526,89.445 38.227,89.365 38.227,90.284 37.084,90.284 37.084,95.504 36.576,96.012
VBUS_IN on Top Layer "VBUS_IN_L01_P003" (solid, pour order 3): 37.719,107.188 38.1,106.807 38.1,104.775 37.338,104.013 35.306,104.013 34.29,102.997 34.29,99.187 33.655,98.552 26.416,98.552 25.781,99.187 25.781,107.188
GND on L2(power) "GND_L02_P026" (solid, remove dead copper, pour order 26): 29.131,68.049 cw(c29.102,71.667) 25.484,71.667 25.487,122.948 cw(c29.653,122.948) 29.653,127.115 106.468,127.115 cw(c106.468,122.838) 110.744,122.838 110.744,71.502 cw(c107.314,71.502) 107.314,68.072 32.385,68.072 32.383,68.074
12V on L2(power) "12V_L02_P019" (solid, pour order 19): 74.168,97.409 74.168,81.568 74.837,80.899 93.345,80.899 94.234,80.01 101.473,80.01 103.251,81.788 109.728,81.788 110.236,82.296 110.236,91.059 109.093,92.202 96.647,92.202 93.034,88.589 83.623,88.589 82.804,89.408 82.804,97.409
SW2 on L2(power) "SW2_L02_P015" (solid, pour order 15): 96.774,103.378 96.774,97.155 95.631,96.012 91.821,96.012 91.313,95.504 91.313,90.424 90.17,89.281 83.82,89.281 83.058,90.043 83.058,97.917 82.423,98.552 81.28,98.552 80.518,99.314 80.518,102.235 81.661,103.378
NetL2_1 on L2(power) "NETL2_1_L02_P014" (solid, pour order 14): 88.519,121.412 88.519,109.982 89.154,109.347 99.314,109.347 100.076,110.109 100.076,119.507 98.171,121.412
SW1 on L2(power) "SW1_L02_P012" (solid, pour order 12): 76.962,119.761 76.454,119.253 76.454,116.586 76.581,116.459 76.581,112.141 87.787,112.141 87.787,121.457 82.634,121.457 82.544,121.367 82.544,117.9 80.855,117.9 80.645,118.11 80.645,119.761
V_PD on L2(power) "V_PD_L02_P008" (solid, pour order 8): 82.296,120.269 76.327,120.269 76.327,122.172 62.984,122.172 62.984,120.269 61.102,120.269 60.325,120.269 59.817,119.761 59.817,118.237 55.372,118.237 54.864,118.745 54.864,126.238 55.372,126.746 81.788,126.746 82.296,126.238
VBUS_IN on L2(power) "VBUS_IN_L02_P004" (solid, pour order 4): 25.781,107.188 25.781,91.44 27.813,89.408 37.211,89.408 38.1,90.297 38.1,106.807 37.719,107.188
GND on L3(GND) "GND_L03_P027" (solid, remove dead copper, pour order 27): 29.131,68.049 cw(c29.102,71.667) 25.484,71.667 25.487,122.948 cw(c29.653,122.948) 29.653,127.115 106.468,127.115 cw(c106.468,122.838) 110.744,122.838 110.744,71.502 cw(c107.314,71.502) 107.314,68.072 32.385,68.072 32.383,68.074
GND on Bottom Layer "GND_L04_P028" (solid, remove dead copper, pour order 28): 29.131,68.049 cw(c29.102,71.667) 25.484,71.667 25.487,122.948 cw(c29.653,122.948) 29.653,127.115 106.468,127.115 cw(c106.468,122.838) 110.744,122.838 110.744,71.502 cw(c107.314,71.502) 107.314,68.072 32.385,68.072 32.383,68.074

## Silkscreen, mask and mechanical layers (free items; w line width, h text height)
Mechanical 1:
  the board outline again, w0.12
  text "JLC041622-3313 Stackup" at 74.168,130.302 h1.52

## Text inside footprints (layer, text, board x,y; h text height)
ZD1: Top Overlay "-" at 29.804,104.723 h5 r180; Top Overlay "+" at 30.099,113.929 h5 r180